# KiCad board 1 - ATX 16 bit ISA passive backplane.kicad_pcb
date: 2022-10-08; rev: 2
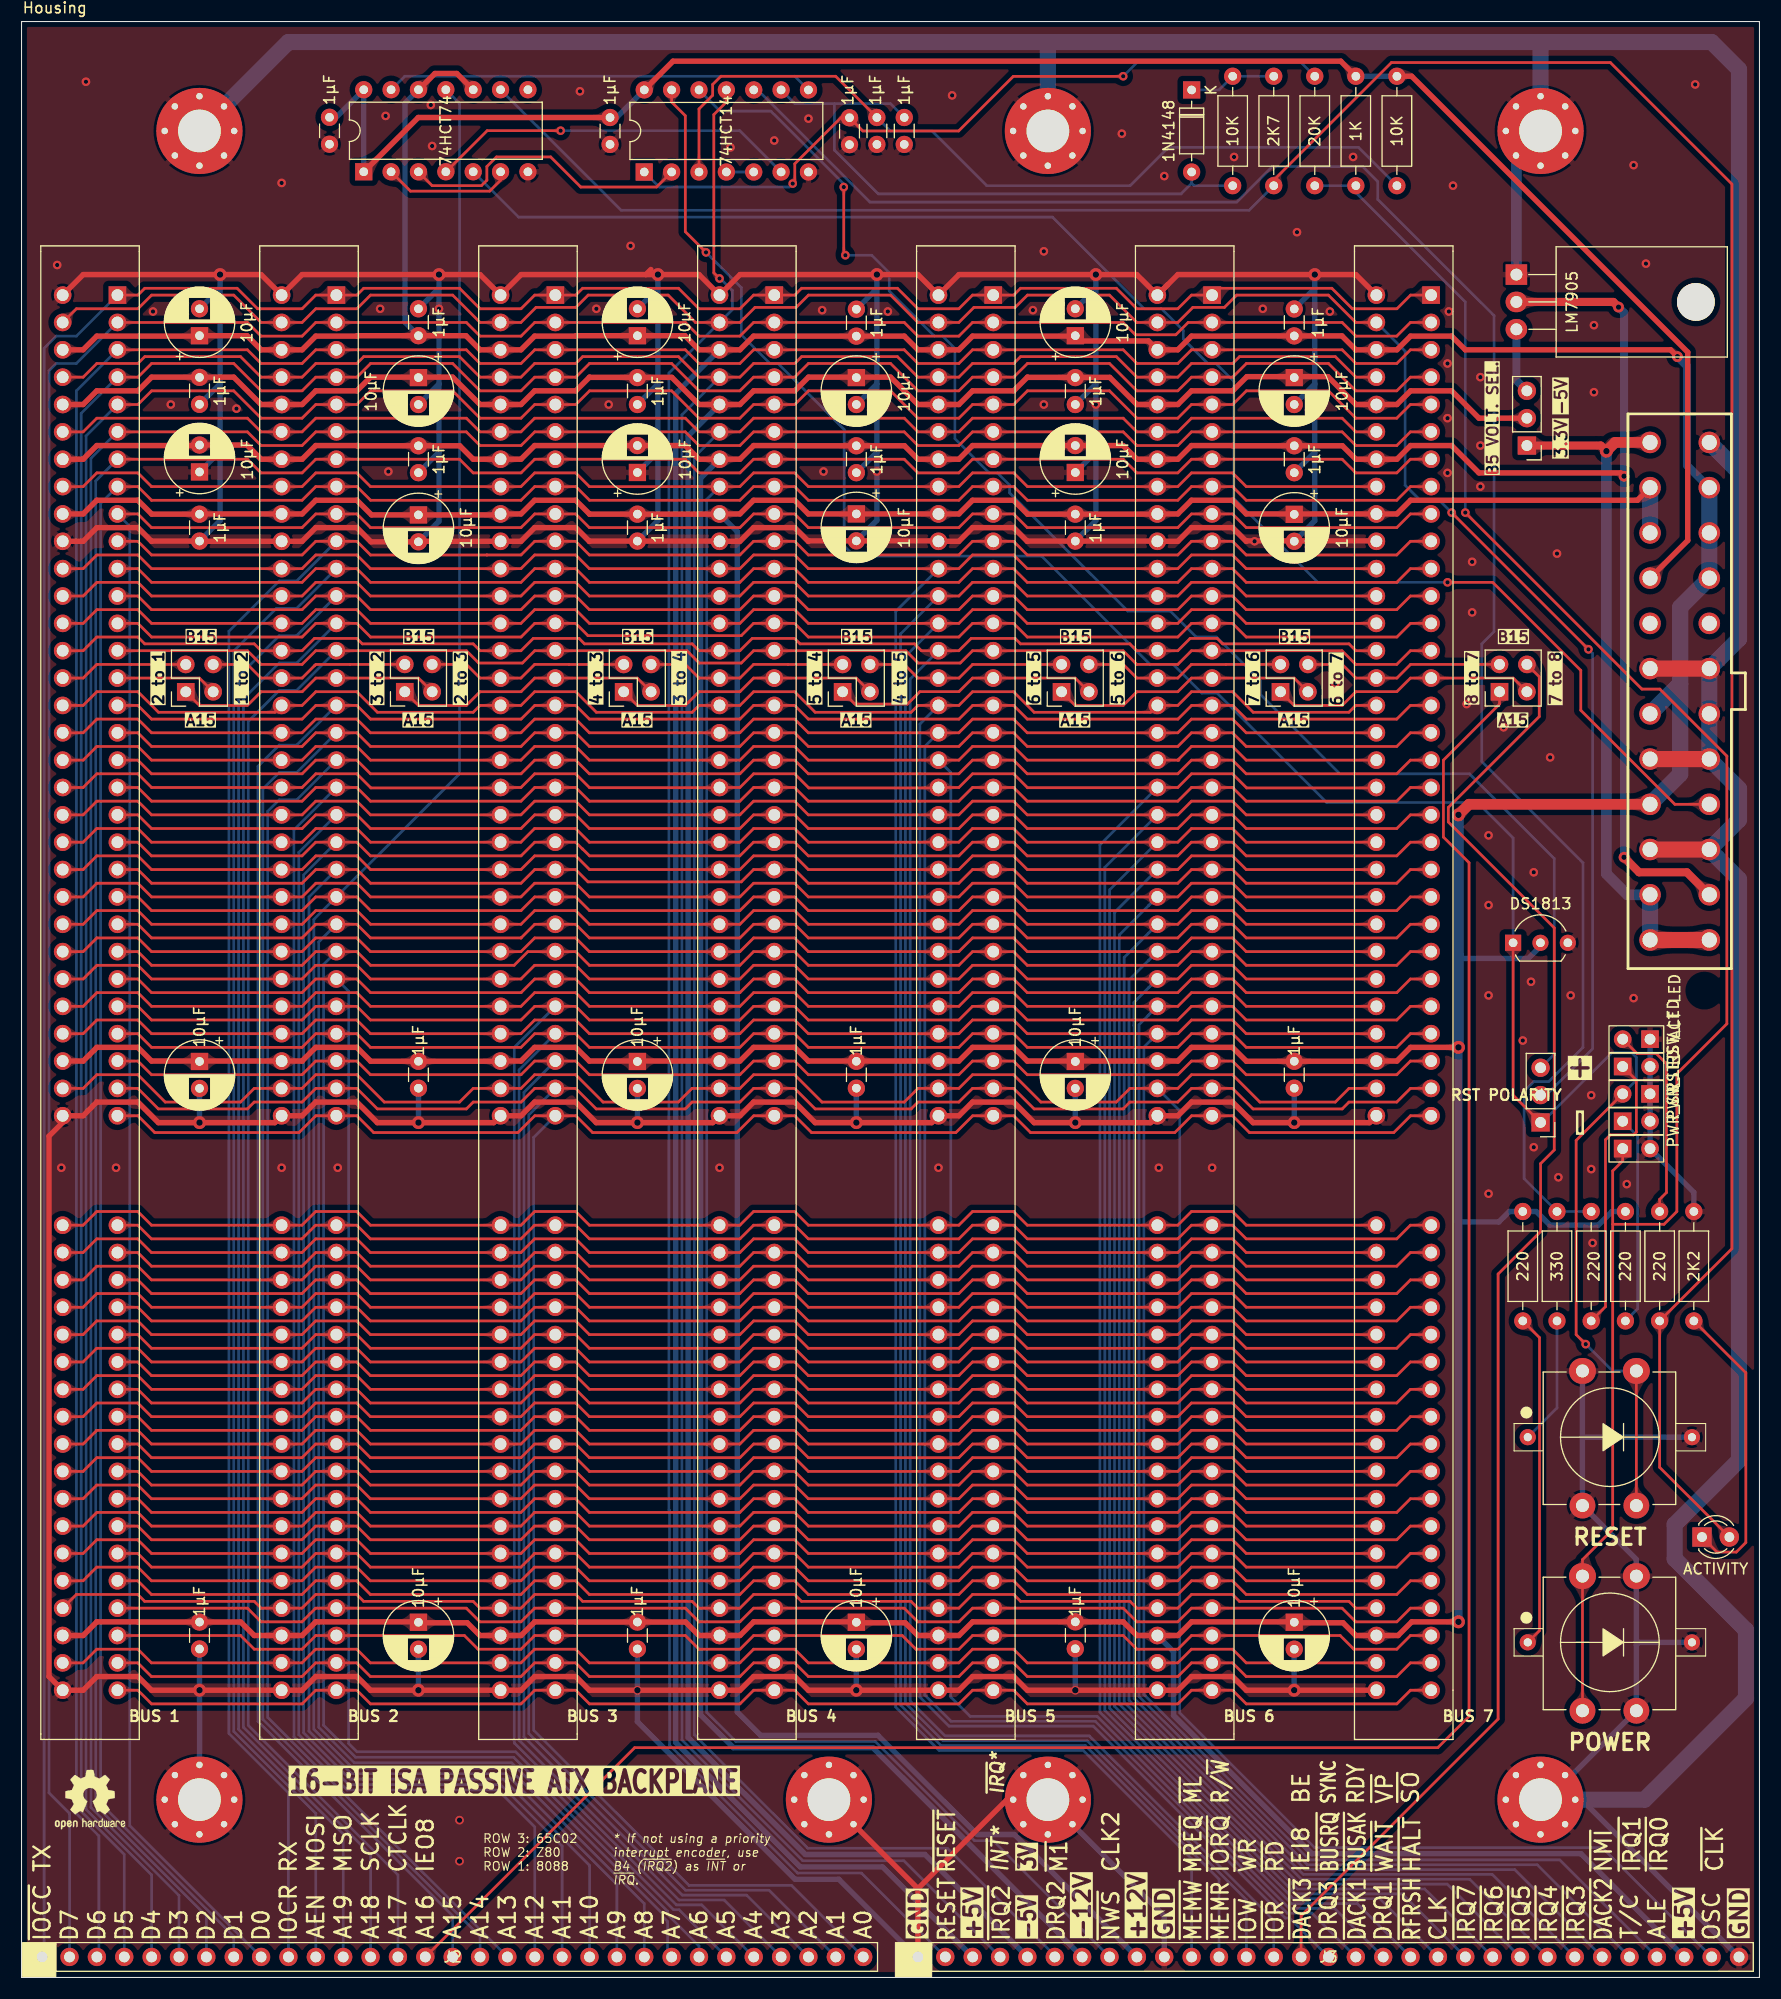
[diagram p0: board, top side]
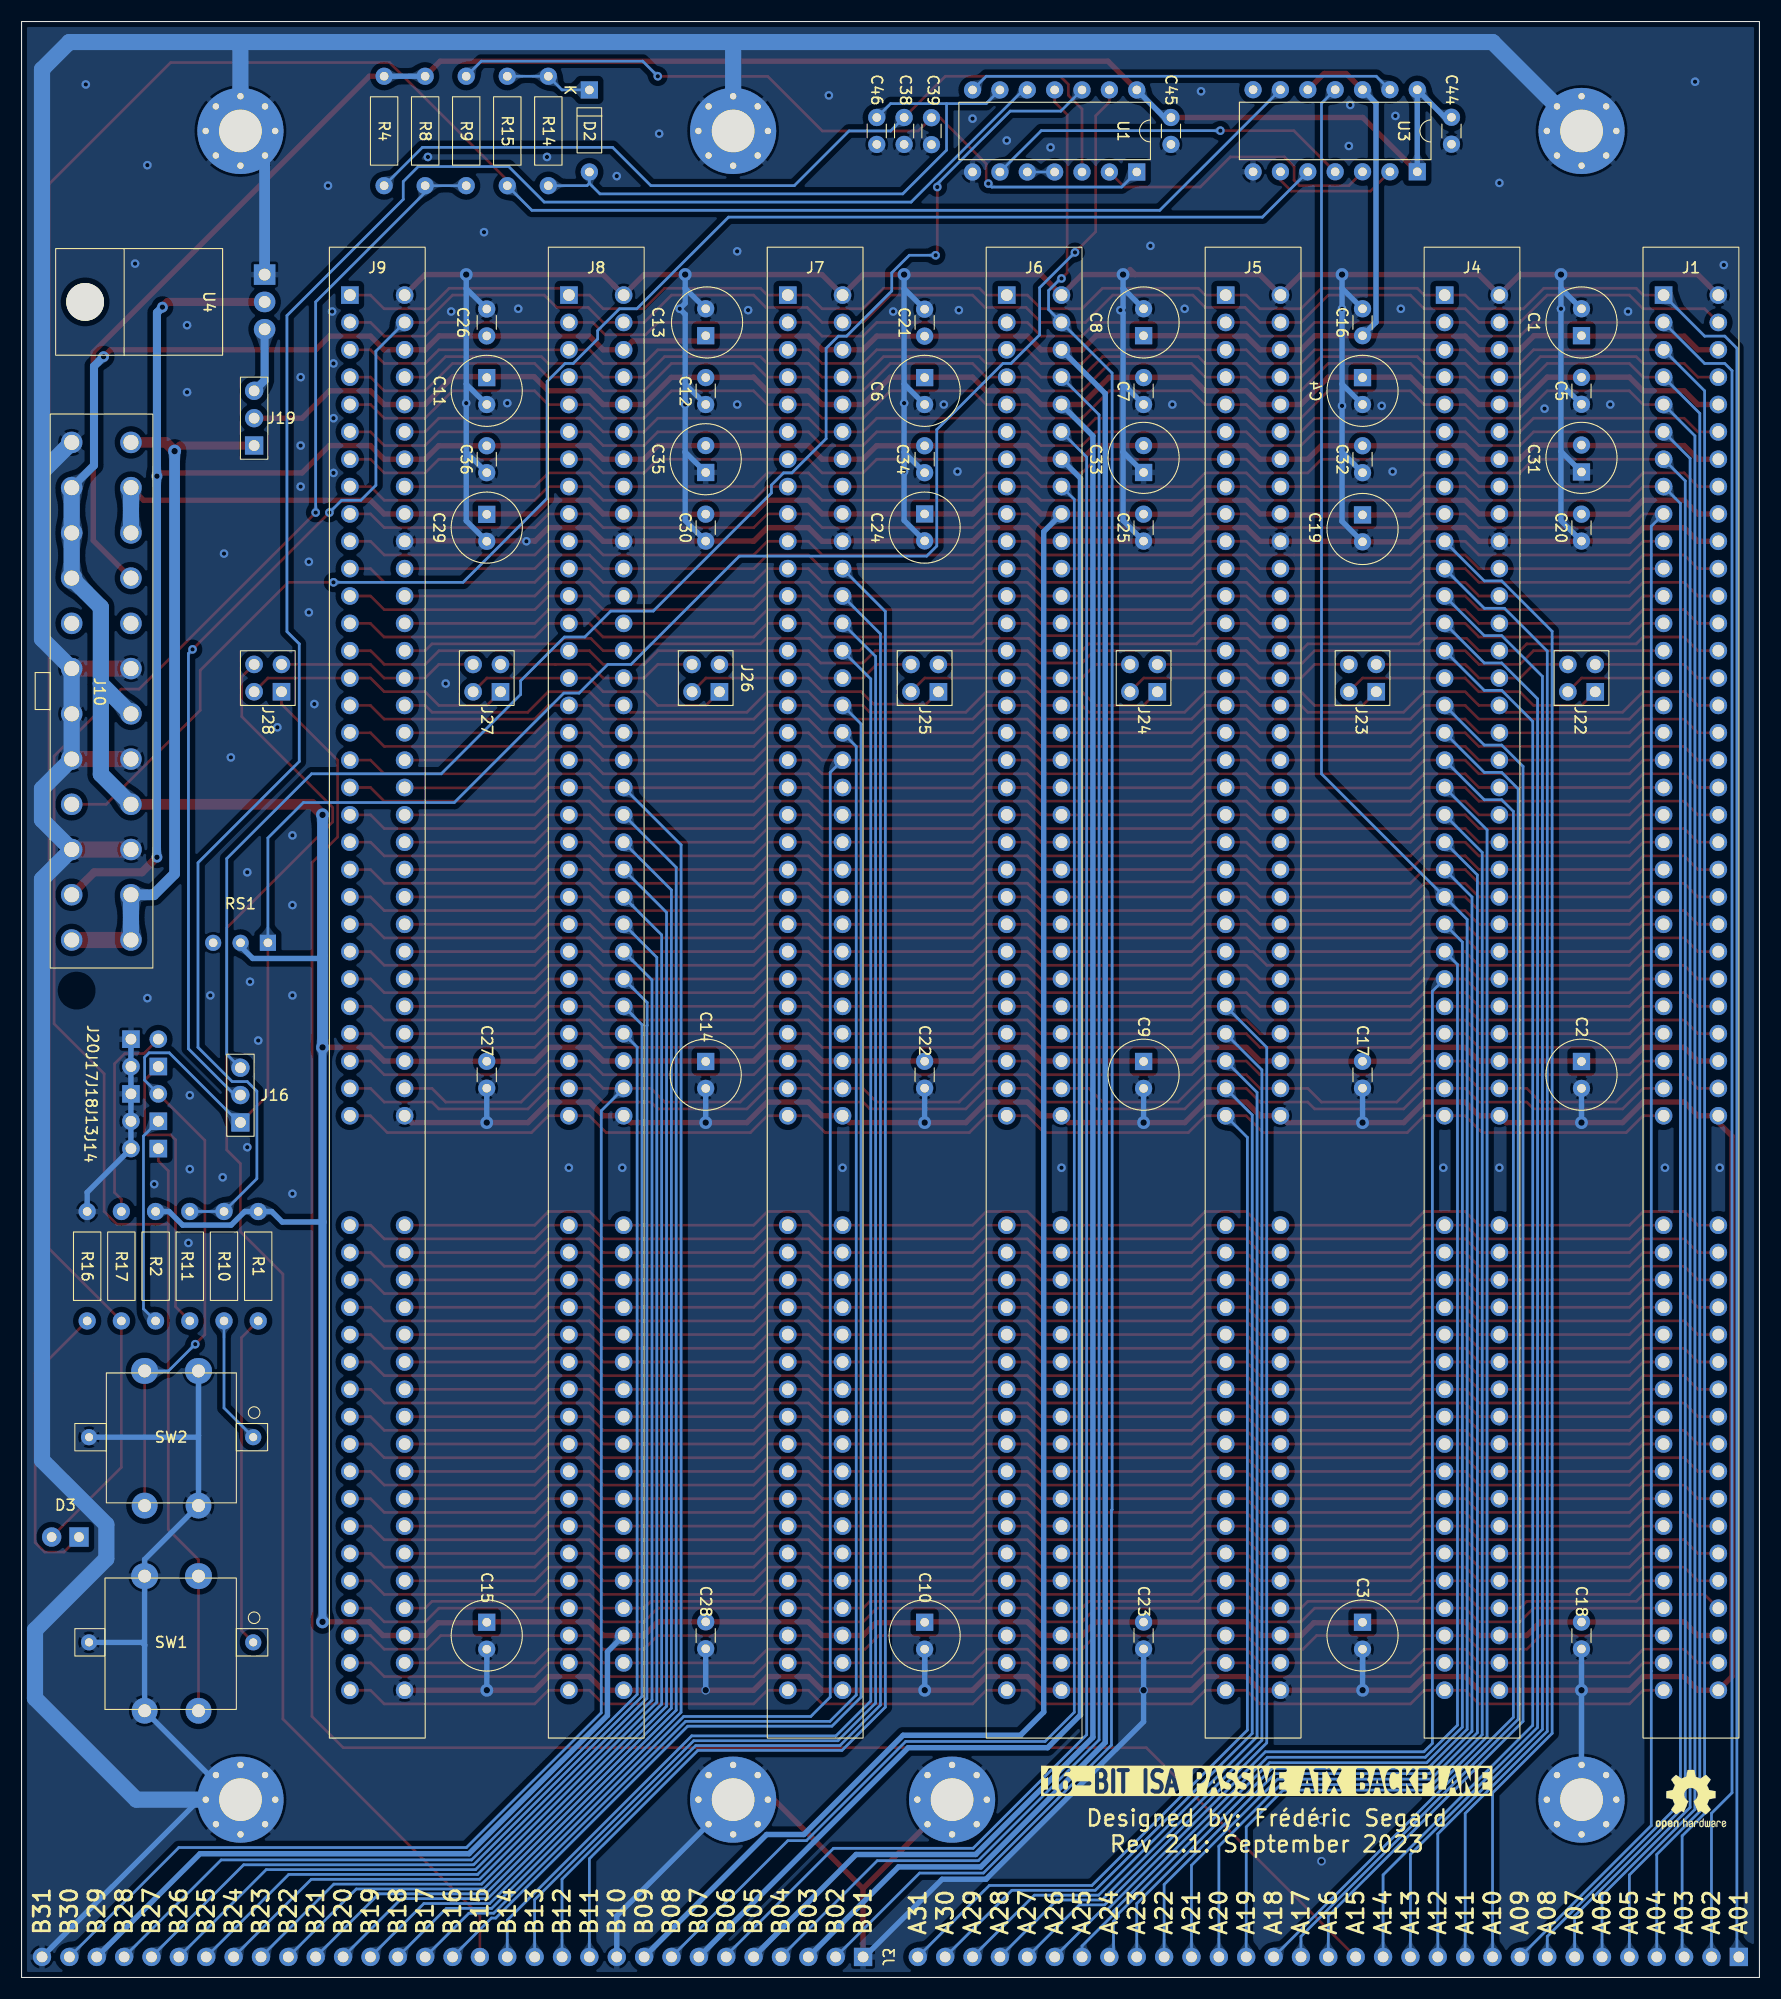
[diagram p1: board, bottom side, seen from below]

Outline 161.29 x 181.61 mm; copper layers: Top, Bottom. Coordinates in mm from the lower left corner of the outline.
Outline path: rectangle 0,181.61 161.29,0
Stack: Top 0.035mm / dielectric 1.51mm FR4 er 4.5 / Bottom 0.035mm

## Placement (name value [footprint] x y rotation side)
C1  10µF  [CP_Radial_D6.3mm_P2.50mm]  16.52 152.44 90 top
C2  10µF  [CP_Radial_D6.3mm_P2.50mm]  16.52 85.05 270 top
C3  10µF  [CP_Radial_D6.3mm_P2.50mm]  36.84 32.98 270 top
C4  10µF  [CP_Radial_D6.3mm_P2.50mm]  36.84 148.55 270 top
C5  1µF  [C_Disc_D3.0mm_W1.6mm_P2.50mm]  16.52 148.57 270 top
C6  10µF  [CP_Radial_D6.3mm_P2.50mm]  77.48 148.55 270 top
C7  1µF  [C_Disc_D3.0mm_W1.6mm_P2.50mm]  57.16 148.55 270 top
C8  10µF  [CP_Radial_D6.3mm_P2.50mm]  57.16 152.44 90 top
C9  10µF  [CP_Radial_D6.3mm_P2.50mm]  57.16 85.05 270 top
C10  10µF  [CP_Radial_D6.3mm_P2.50mm]  77.48 32.98 270 top
C11  10µF  [CP_Radial_D6.3mm_P2.50mm]  118.12 148.55 270 top
C12  1µF  [C_Disc_D3.0mm_W1.6mm_P2.50mm]  97.8 148.55 270 top
C13  10µF  [CP_Radial_D6.3mm_P2.50mm]  97.8 152.44 90 top
C14  10µF  [CP_Radial_D6.3mm_P2.50mm]  97.8 85.05 270 top
C15  10µF  [CP_Radial_D6.3mm_P2.50mm]  118.12 32.98 270 top
C16  1µF  [C_Disc_D3.0mm_W1.6mm_P2.50mm]  36.84 152.44 90 top
C17  1µF  [C_Disc_D3.0mm_W1.6mm_P2.50mm]  36.84 85.07 270 top
C18  1µF  [C_Disc_D3.0mm_W1.6mm_P2.50mm]  16.52 33 270 top
C19  10µF  [CP_Radial_D6.3mm_P2.50mm]  36.84 135.8 270 top
C20  1µF  [C_Disc_D3.0mm_W1.6mm_P2.50mm]  16.52 135.87 270 top
C21  1µF  [C_Disc_D3.0mm_W1.6mm_P2.50mm]  77.48 152.4 90 top
C22  1µF  [C_Disc_D3.0mm_W1.6mm_P2.50mm]  77.48 85.07 270 top
C23  1µF  [C_Disc_D3.0mm_W1.6mm_P2.50mm]  57.16 33 270 top
C24  10µF  [CP_Radial_D6.3mm_P2.50mm]  77.48 135.89 270 top
C25  1µF  [C_Disc_D3.0mm_W1.6mm_P2.50mm]  57.16 135.87 270 top
C26  1µF  [C_Disc_D3.0mm_W1.6mm_P2.50mm]  118.12 152.42 90 top
C27  1µF  [C_Disc_D3.0mm_W1.6mm_P2.50mm]  118.12 85.07 270 top
C28  1µF  [C_Disc_D3.0mm_W1.6mm_P2.50mm]  97.8 33.02 270 top
C29  10µF  [CP_Radial_D6.3mm_P2.50mm]  118.12 135.85 270 top
C30  1µF  [C_Disc_D3.0mm_W1.6mm_P2.50mm]  97.8 135.87 270 top
C31  10µF  [CP_Radial_D6.3mm_P2.50mm]  16.52 139.79 90 top
C32  1µF  [C_Disc_D3.0mm_W1.6mm_P2.50mm]  36.84 142.22 270 top
C33  10µF  [CP_Radial_D6.3mm_P2.50mm]  57.16 139.74 90 top
C34  1µF  [C_Disc_D3.0mm_W1.6mm_P2.50mm]  77.48 142.22 270 top
C35  10µF  [CP_Radial_D6.3mm_P2.50mm]  97.8 139.74 90 top
C36  1µF  [C_Disc_D3.0mm_W1.6mm_P2.50mm]  118.12 142.22 270 top
C38  1µF  [C_Disc_D3.0mm_W1.6mm_P2.50mm]  79.38 172.7 270 top
C39  1µF  [C_Disc_D3.0mm_W1.6mm_P2.50mm]  76.84 172.68 270 top
C44  1µF  [C_Disc_D3.0mm_W1.6mm_P2.50mm]  28.58 172.72 270 top
C45  1µF  [C_Disc_D3.0mm_W1.6mm_P2.50mm]  54.62 172.7 270 top
C46  1µF  [C_Disc_D3.0mm_W1.6mm_P2.50mm]  81.92 172.7 270 top
D2  1N4148  [D_DO-35_SOD27_P7.62mm_Horizontal]  108.59 175.26 270 top
D3  ACTIVITY  [LED_D3.0mm]  155.96 40.89 0 top
H1  MH  [MountingHole_M3.96_Pad_Via_ATX]  16.51 171.45 0 top
H2  MH  [MountingHole_M3.96_Pad_Via_ATX]  16.51 16.51 0 top
H3  MH  [MountingHole_M3.96_Pad_Via_ATX]  74.93 16.51 0 top
H4  MH  [MountingHole_M3.96_Pad_Via_ATX]  140.97 16.51 0 top
H5  MH  [MountingHole_M3.96_Pad_Via_ATX]  95.25 171.45 0 top
H6  MH  [MountingHole_M3.96_Pad_Via_ATX]  140.98 171.45 0 top
H7  MH  [MountingHole_M3.96_Pad_Via_ATX]  95.25 16.51 0 top
J1  BUS 1  [ISA_Connector_98]  8.9 156.21 0 top
J2  A: Component Side  [PinHeader_1x31_P2.54mm_Vertical]  1.91 1.91 90 top
J3  B: Back Side  [PinHeader_1x31_P2.54mm_Vertical]  83.19 1.91 90 top
J4  BUS 2  [ISA_Connector_98]  29.22 156.21 0 top
J5  BUS 3  [ISA_Connector_98]  49.54 156.21 0 top
J6  BUS 4  [ISA_Connector_98]  69.86 156.21 0 top
J7  BUS 5  [ISA_Connector_98]  90.18 156.21 0 top
J8  BUS 6  [ISA_Connector_98]  110.49 156.21 0 top
J9  BUS 7  [ISA_Connector_98]  130.82 156.21 0 top
J10  ATX POWER  [ATX_PSU_CONN]  158.69 119.43 90 top
J13  PWR_LED  [PinHeader_1x2_Vertical (Modified)]  148.6 79.5 90 top
J14  PWR_SW  [PinHeader_1x2_Vertical (Modified)]  148.6 76.96 90 top
J16  RST POLARITY  [PinHeader_1x03_P2.54mm_Vertical]  140.98 79.39 180 top
J17  RST_LED  [PinHeader_1x2_Vertical (Modified)]  148.6 84.58 90 top
J18  RST_SW  [PinHeader_1x2_Vertical (Modified)]  151.14 82.04 270 top
J19  3V/-5V  [PinHeader_1x03_P2.54mm_Vertical]  139.71 142.24 180 top
J20  ACT LED  [PinHeader_1x2_Vertical (Modified)]  151.14 87.12 270 top
J22  IE12  [PinHeader_2x2_Vertical (Modified)]  15.24 119.38 90 top
J23  IE23  [PinHeader_2x2_Vertical (Modified)]  35.57 119.38 90 top
J24  IE34  [PinHeader_2x2_Vertical (Modified)]  55.88 119.38 90 top
J25  IE45  [PinHeader_2x2_Vertical (Modified)]  76.2 119.38 90 top
J26  IE56  [PinHeader_2x2_Vertical (Modified)]  96.52 119.38 90 top
J27  IE67  [PinHeader_2x2_Vertical (Modified)]  116.84 119.38 90 top
J28  IE78  [PinHeader_2x2_Vertical (Modified)]  137.17 119.38 90 top
LOGO1  Logo_Open_Hardware_Small  [OSHW-Logo2_7.3x6mm_SilkScreen]  6.36 16.51 0 top
LOGO2  Logo_Open_Hardware_Small  [OSHW-Logo2_7.3x6mm_SilkScreen]  6.36 16.51 180 bottom
N1  Housing  [ATX_Backplane]  0.01 181.61 0 top
R1  220  [R_Axial_DIN0207_L6.3mm_D2.5mm_P10.16mm_Horizontal]  139.33 60.96 90 top
R2  220  [R_Axial_DIN0207_L6.3mm_D2.5mm_P10.16mm_Horizontal]  148.85 60.96 90 top
R4  10K  [R_Axial_DIN0207_L6.3mm_D2.5mm_P10.16mm_Horizontal]  127.64 176.53 270 top
R8  1K  [R_Axial_DIN0207_L6.3mm_D2.5mm_P10.16mm_Horizontal]  123.83 176.53 270 top
R9  20K  [R_Axial_DIN0207_L6.3mm_D2.5mm_P10.16mm_Horizontal]  120.02 166.37 90 top
R10  330  [R_Axial_DIN0207_L6.3mm_D2.5mm_P10.16mm_Horizontal]  142.5 60.96 90 top
R11  220  [R_Axial_DIN0207_L6.3mm_D2.5mm_P10.16mm_Horizontal]  145.68 60.96 90 top
R14  10K  [R_Axial_DIN0207_L6.3mm_D2.5mm_P10.16mm_Horizontal]  112.4 176.53 270 top
R15  2K7  [R_Axial_DIN0207_L6.3mm_D2.5mm_P10.16mm_Horizontal]  116.21 176.53 270 top
R16  2K2  [R_Axial_DIN0207_L6.3mm_D2.5mm_P10.16mm_Horizontal]  155.2 60.96 90 top
R17  220  [R_Axial_DIN0207_L6.3mm_D2.5mm_P10.16mm_Horizontal]  152.03 60.96 90 top
RS1  DS1813  [TO-92L_Inline_Wide]  138.43 96.07 0 top
SW1  POWER  [Pushbutton_12mm_LED]  144.87 37.26 0 top
SW2  RESET  [Pushbutton_12mm_LED]  144.87 56.31 0 top
U1  74HCT14  [DIP-14_W7.62mm]  57.79 167.64 90 top
U3  74HCT74  [DIP-14_W7.62mm]  31.76 167.66 90 top
U4  LM7905  [TO-220-3_Horizontal_TabDown]  138.73 158.12 270 top

## Library data of the parts
C1-C4 C6 C8-C11 C13-C15 C19 C24 C29 C31 C33 C35 = -: Description: Polarized capacitor, US symbol
C5 C7 C12 C16-C18 C20-C23 C25-C28 C30 C32 C34 C36 C38 C39 C44-C46 = -: Description: Unpolarized capacitor
D2 = -: Description: 100V 0.15A standard switching diode, DO-35; Sim.Device: D; Sim.Pins: 1=K 2=A
D3 = -: Description: Light emitting diode
H1-H7 = -: Description: Mounting Hole with connection
J1 J4-J9 = -: Description: Standard Card Edge Connectors; Manufacturer_Name: TE Connectivity; Manufacturer_Part_Number: 6-5530843-5; Mouser Part Number: 571-5645169-3; Mouser Price/Stock: https://www.mouser.ca/ProductDetail/TE-Connectivity/5645169-3?qs=sGAEpiMZZMvlX3nhDDO4AJnl56K1ca25LEufbdKkbWo%3D
J2 J3 = -: Description: Generic connector, single row, 01x31, script generated (kicad-library-utils/schlib/autogen/connector/)
J10 = -: Description: Power to the Board ATX PWR CONN 1 BDLK 24 POS; Manufacturer_Name: TE Connectivity; Manufacturer_Part_Number: 1-1775099-3; Mouser Part Number: 571-1-1775099-3; Mouser Price/Stock: https://www.mouser.co.uk/ProductDetail/TE-Connectivity/1-1775099-3?qs=28ld6GkVMjRzvehyCXdQkg%3D%3D
J13 J14 J17 J18 J20 = -: Description: Generic connector, single row, 01x02, script generated (kicad-library-utils/schlib/autogen/connector/)
J16 J19 = -: Description: Generic connector, single row, 01x03, script generated (kicad-library-utils/schlib/autogen/connector/)
J22-J28 = -: Description: Generic connector, double row, 02x02, odd/even pin numbering scheme (row 1 odd numbers, row 2 even numbers), script generated (kicad-library-utils/schlib/autogen/connector/)
LOGO1 LOGO2 = -: Description: Open Hardware logo, small; Sim.Enable: 0
N1 = -: Sim.Enable: 0
R1 R2 R4 R8-R11 R14-R17 = -: Description: Resistor, US symbol
SW1 SW2 = -: Description: Push button switch with LED, generic
U1 = -: Description: Hex inverter schmitt trigger
U3 = -: Description: Dual D Flip-flop, Set & Reset
U4 = -: Description: Negative 1.5A 35V Linear Regulator, Fixed Output -5V, TO-220/TO-263

## Footprints (pads in the part's own frame, mm; a bottom-side part is the same pattern mirrored in y, then rotated)
ATX_PSU_CONN
  round 0.001 hole 3 unplated: (-27.8,2.51)
  round 2 hole 1.4: 1(-23.1,7.55) 2(-18.9,7.55) 3(-14.7,7.55) 4(-10.5,7.55) 5(-6.3,7.55) 6(-2.1,7.55) 7(2.1,7.55) 8(6.3,7.55) 9(10.5,7.55) 10(14.7,7.55) 11(18.9,7.55) 12(23.1,7.55) 13(-23.1,2.05) 14(-18.9,2.05) 15(-14.7,2.05) 16(-10.5,2.05) 17(-6.3,2.05) 18(-2.1,2.05) 19(2.1,2.05) 20(6.3,2.05) 21(10.5,2.05) 22(14.7,2.05) 23(18.9,2.05) 24(23.1,2.05)
C_Disc_D3.0mm_W1.6mm_P2.50mm
  round 1.6 hole 0.8: 1(0,0) 2(2.5,0)
CP_Radial_D6.3mm_P2.50mm
  rect 1.6x1.6 hole 0.8: 1(0,0)
  round 1.6 hole 0.8: 2(2.5,0)
D_DO-35_SOD27_P7.62mm_Horizontal
  rect 1.6x1.6 hole 0.8: 1(0,0)
  oval 1.6x1.6 hole 0.8: 2(7.62,0)
DIP-14_W7.62mm
  rect 1.6x1.6 hole 0.8: 1(0,0)
  oval 1.6x1.6 hole 0.8: 2(0,-2.54) 3(0,-5.08) 4(0,-7.62) 5(0,-10.16) 6(0,-12.7) 7(0,-15.24) 8(7.62,-15.24) 9(7.62,-12.7) 10(7.62,-10.16) 11(7.62,-7.62) 12(7.62,-5.08) 13(7.62,-2.54) 14(7.62,0)
ISA_Connector_98
  rect 1.635x1.635 hole 1.09: 1(0,0)
  round 1.635 hole 1.09: 2(0,-2.54) 3(0,-5.08) 4(0,-7.62) 5(0,-10.16) 6(0,-12.7) 7(0,-15.24) 8(0,-17.78) 9(0,-20.32) 10(0,-22.86) 11(0,-25.4) 12(0,-27.94) 13(0,-30.48) 14(0,-33.02) 15(0,-35.56) 16(0,-38.1) 17(0,-40.64) 18(0,-43.18) 19(0,-45.72) 20(0,-48.26) 21(0,-50.8) 22(0,-53.34) 23(0,-55.88) 24(0,-58.42) 25(0,-60.96) 26(0,-63.5) 27(0,-66.04) 28(0,-68.58) 29(0,-71.12) 30(0,-73.66) 31(0,-76.2) 32(-5.08,0) 33(-5.08,-2.54) 34(-5.08,-5.08) 35(-5.08,-7.62) 36(-5.08,-10.16) 37(-5.08,-12.7) 38(-5.08,-15.24) 39(-5.08,-17.78) 40(-5.08,-20.32) 41(-5.08,-22.86) 42(-5.08,-25.4) 43(-5.08,-27.94) 44(-5.08,-30.48) 45(-5.08,-33.02) 46(-5.08,-35.56) 47(-5.08,-38.1) 48(-5.08,-40.64) 49(-5.08,-43.18) 50(-5.08,-45.72) 51(-5.08,-48.26) 52(-5.08,-50.8) 53(-5.08,-53.34) 54(-5.08,-55.88) 55(-5.08,-58.42) 56(-5.08,-60.96) 57(-5.08,-63.5) 58(-5.08,-66.04) 59(-5.08,-68.58) 60(-5.08,-71.12) 61(-5.08,-73.66) 62(-5.08,-76.2) 63(0,-86.36) 64(0,-88.9) 65(0,-91.44) 66(0,-93.98) 67(0,-96.52) 68(0,-99.06) 69(0,-101.6) 70(0,-104.14) 71(0,-106.68) 72(0,-109.22) 73(0,-111.76) 74(0,-114.3) 75(0,-116.84) 76(0,-119.38) 77(0,-121.92) 78(0,-124.46) 79(0,-127) 80(0,-129.54) 81(-5.08,-86.36) 82(-5.08,-88.9) 83(-5.08,-91.44) 84(-5.08,-93.98) 85(-5.08,-96.52) 86(-5.08,-99.06) 87(-5.08,-101.6) 88(-5.08,-104.14) 89(-5.08,-106.68) 90(-5.08,-109.22) 91(-5.08,-111.76) 92(-5.08,-114.3) 93(-5.08,-116.84) 94(-5.08,-119.38) 95(-5.08,-121.92) 96(-5.08,-124.46) 97(-5.08,-127) 98(-5.08,-129.54)
LED_D3.0mm
  rect 1.8x1.8 hole 0.9: 1(0,0)
  round 1.8 hole 0.9: 2(2.54,0)
MountingHole_M3.96_Pad_Via_ATX
  round 0.9 hole 0.6: 1(-3.225,0) 1(-2.28,2.28) 1(-2.28,-2.28) 1(0,3.225) 1(0,-3.225) 1(2.28,2.28) 1(2.28,-2.28) 1(3.225,0)
  round 8 hole 3.96: 1(0,0)
PinHeader_1x2_Vertical (Modified)
  rect 1.635x1.635 hole 1: 1(0,0)
  round 1.635 hole 1: 2(0,-2.54)
PinHeader_1x03_P2.54mm_Vertical
  rect 1.7x1.7 hole 1: 1(0,0)
  oval 1.7x1.7 hole 1: 2(0,-2.54) 3(0,-5.08)
PinHeader_1x31_P2.54mm_Vertical
  rect 1.7x1.7 hole 1: 1(0,0)
  oval 1.7x1.7 hole 1: 2(0,-2.54) 3(0,-5.08) 4(0,-7.62) 5(0,-10.16) 6(0,-12.7) 7(0,-15.24) 8(0,-17.78) 9(0,-20.32) 10(0,-22.86) 11(0,-25.4) 12(0,-27.94) 13(0,-30.48) 14(0,-33.02) 15(0,-35.56) 16(0,-38.1) 17(0,-40.64) 18(0,-43.18) 19(0,-45.72) 20(0,-48.26) 21(0,-50.8) 22(0,-53.34) 23(0,-55.88) 24(0,-58.42) 25(0,-60.96) 26(0,-63.5) 27(0,-66.04) 28(0,-68.58) 29(0,-71.12) 30(0,-73.66) 31(0,-76.2)
PinHeader_2x2_Vertical (Modified)
  rect 1.635x1.635 hole 1: 1(0,0)
  round 1.635 hole 1: 2(2.54,0) 3(0,-2.54) 4(2.54,-2.54)
Pushbutton_12mm_LED
  oval 2.5x2.4 hole 1.2: 1(0,0) 2(5,0)
  round 2.4 hole 1.2: 1(0,-12.5) 2(5,-12.5)
  round 1.5 hole 0.75: 3(10.16,-6.15) 4(-5.08,-6.15)
R_Axial_DIN0207_L6.3mm_D2.5mm_P10.16mm_Horizontal
  round 1.6 hole 0.8: 1(0,0)
  oval 1.6x1.6 hole 0.8: 2(10.16,0)
TO-92L_Inline_Wide
  rect 1.5x1.5 hole 0.8: 1(0,0)
  round 1.5 hole 0.8: 2(2.54,0) 3(5.08,0)
TO-220-3_Horizontal_TabDown
  oval 3.5x3.5 hole 3.5 unplated: (2.54,16.66)
  rect 1.905x2 hole 1.1: 1(0,0)
  oval 1.905x2 hole 1.1: 2(2.54,0) 3(5.08,0)

## Nets
+3V3: C4.1 C5.1 C6.1 C7.1 C11.1 C12.1 J1.36 J3.5 J4.36 J5.36 J6.36 J7.36 J8.36 J9.36 J19.2
+5V: C1.1 C2.1 C3.1 C8.1 C9.1 C10.1 C13.1 C14.1 C15.1 C16.1 C17.1 C18.1 C21.1 C22.1 C23.1 C26.1 C27.1 C28.1 J1.34 J1.60 J1.96 J3.3 J3.29 J4.34 J4.60 J4.96 J5.34 J5.60 J5.96 J6.34 J6.60 J6.96 J7.34 J7.60 J7.96 J8.34 J8.60 J8.96 J9.34 J9.60 J9.96 J10.4 J10.6 J10.21 J10.22 J10.23 R1.2 R2.2 RS1.2 U3.10 U3.12
+12V: C19.1 C20.1 C24.1 C25.1 C29.1 C30.1 J1.40 J3.9 J4.40 J5.40 J6.40 J7.40 J8.40 J9.40 J10.10 J10.11
-12V: C31.2 C32.1 C33.2 C34.1 C35.2 C36.1 J1.38 J3.7 J4.38 J5.38 J6.38 J7.38 J8.38 J9.38 J10.14 U4.2
GND: C1.2 C2.2 C3.2 C4.2 C5.2 C6.2 C7.2 C8.2 C9.2 C10.2 C11.2 C12.2 C13.2 C14.2 C15.2 C16.2 C17.2 C18.2 C19.2 C20.2 C21.2 C22.2 C23.2 C24.2 C25.2 C26.2 C27.2 C28.2 C29.2 C30.2 C31.1 C32.2 C33.1 C34.2 C35.1 C36.2 C38.2 C39.2 C44.2 C45.2 C46.2 H1.1 H2.1 H3.1 H4.1 H5.1 H6.1 H7.1 J1.32 J1.41 J1.62 J1.98 J3.1 J3.10 J3.31 J4.32 J4.41 J4.62 J4.98 J5.32 J5.41 J5.62 J5.98 J6.32 J6.41 J6.62 J6.98 J7.32 J7.41 J7.62 J7.98 J8.32 J8.41 J8.62 J8.98 J9.32 J9.41 J9.62 J9.98 J10.3 J10.5 J10.7 J10.15 J10.17 J10.18 J10.19 J10.24 J13.2 J14.2 J17.2 J18.1 J20.1 R16.2 RS1.3 SW1.2 SW1.3 SW2.1 SW2.3 U1.7 U3.7 U4.1
VCC: C44.1 C45.1 J10.9 R4.1 R8.1 U1.14 U3.1 U3.14
/A0: J1.31 J2.31 J4.31 J5.31 J6.31 J7.31 J8.31 J9.31
/A1: J1.30 J2.30 J4.30 J5.30 J6.30 J7.30 J8.30 J9.30
/A2: J1.29 J2.29 J4.29 J5.29 J6.29 J7.29 J8.29 J9.29
/A3: J1.28 J2.28 J4.28 J5.28 J6.28 J7.28 J8.28 J9.28
/A4: J1.27 J2.27 J4.27 J5.27 J6.27 J7.27 J8.27 J9.27
/A5: J1.26 J2.26 J4.26 J5.26 J6.26 J7.26 J8.26 J9.26
/A6: J1.25 J2.25 J4.25 J5.25 J6.25 J7.25 J8.25 J9.25
/A7: J1.24 J2.24 J4.24 J5.24 J6.24 J7.24 J8.24 J9.24
/A8: J1.23 J2.23 J4.23 J5.23 J6.23 J7.23 J8.23 J9.23 U3.11
/A9: J1.22 J2.22 J4.22 J5.22 J6.22 J7.22 J8.22 J9.22
/A10: J1.21 J2.21 J4.21 J5.21 J6.21 J7.21 J8.21 J9.21
/A11: J1.20 J2.20 J4.20 J5.20 J6.20 J7.20 J8.20 J9.20
/A12: J1.19 J2.19 J4.19 J5.19 J6.19 J7.19 J8.19 J9.19
/A13: J1.18 J2.18 J4.18 J5.18 J6.18 J7.18 J8.18 J9.18
/A14: J1.17 J2.17 J4.17 J5.17 J6.17 J7.17 J8.17 J9.17
/A15: J1.16 J2.16 J4.16 J5.16 J6.16 J7.16 J8.16 J9.16
/A16: J1.71 J4.71 J5.71 J6.71 J7.71 J8.71 J9.71
/A17: J1.70 J4.70 J5.70 J6.70 J7.70 J8.70 J9.70
/A18: J1.69 J4.69 J5.69 J6.69 J7.69 J8.69 J9.69
/A19: J1.68 J4.68 J5.68 J6.68 J7.68 J8.68 J9.68
/A20: J1.67 J4.67 J5.67 J6.67 J7.67 J8.67 J9.67
/A21: J1.66 J4.66 J5.66 J6.66 J7.66 J8.66 J9.66
/A22: J1.65 J4.65 J5.65 J6.65 J7.65 J8.65 J9.65
/A23: J1.64 J4.64 J5.64 J6.64 J7.64 J8.64 J9.64
/CLK: J1.51 J3.20 J4.51 J5.51 J6.51 J7.51 J8.51 J9.51
/CLK2: J1.39 J3.8 J4.39 J5.39 J6.39 J7.39 J8.39 J9.39
/CTCLK: J1.14 J2.14 J4.14 J5.14 J6.14 J7.14 J8.14 J9.14
/D0: J1.9 J2.9 J4.9 J5.9 J6.9 J7.9 J8.9 J9.9
/D1: J1.8 J2.8 J4.8 J5.8 J6.8 J7.8 J8.8 J9.8
/D2: J1.7 J2.7 J4.7 J5.7 J6.7 J7.7 J8.7 J9.7
/D3: J1.6 J2.6 J4.6 J5.6 J6.6 J7.6 J8.6 J9.6
/D4: J1.5 J2.5 J4.5 J5.5 J6.5 J7.5 J8.5 J9.5
/D5: J1.4 J2.4 J4.4 J5.4 J6.4 J7.4 J8.4 J9.4
/D6: J1.3 J2.3 J4.3 J5.3 J6.3 J7.3 J8.3 J9.3
/D7: J1.2 J2.2 J4.2 J5.2 J6.2 J7.2 J8.2 J9.2
/D8: J1.73 J4.73 J5.73 J6.73 J7.73 J8.73 J9.73
/D9: J1.74 J4.74 J5.74 J6.74 J7.74 J8.74 J9.74
/D10: J1.75 J4.75 J5.75 J6.75 J7.75 J8.75 J9.75
/D11: J1.76 J4.76 J5.76 J6.76 J7.76 J8.76 J9.76
/D12: J1.77 J4.77 J5.77 J6.77 J7.77 J8.77 J9.77
/D13: J1.78 J4.78 J5.78 J6.78 J7.78 J8.78 J9.78
/D14: J1.79 J4.79 J5.79 J6.79 J7.79 J8.79 J9.79
/D15: J1.80 J4.80 J5.80 J6.80 J7.80 J8.80 J9.80
/IEI1: J1.46 J22.2
/IEI2: J4.46 J22.4 J23.2
/IEI3: J5.46 J23.4 J24.2
/IEI4: J6.46 J24.4 J25.2
/IEI5: J7.46 J25.4 J26.2
/IEI6: J8.46 J26.4 J27.2
/IEI7: J9.46 J27.4 J28.2
/IEI8: J3.15 J28.4
/IEO1: J1.15 J22.3
/IEO2: J4.15 J22.1 J23.3
/IEO3: J5.15 J23.1 J24.3
/IEO4: J6.15 J24.1 J25.3
/IEO5: J7.15 J25.1 J26.3
/IEO6: J8.15 J26.1 J27.3
/IEO7: J9.15 J27.1 J28.3
/IEO8: J2.15 J28.1
/MISO: J1.12 J2.12 J4.12 J5.12 J6.12 J7.12 J8.12 J9.12
/MOSI: J1.11 J2.11 J4.11 J5.11 J6.11 J7.11 J8.11 J9.11
/Power/ATX_3V3: J10.1 J10.2 J10.12 J10.13 J19.1
/Power/ATX_-5V: J19.3 U4.3
/Power/~{PS_ON}: J10.16 U3.5
/Power/~{PWR_UP}: U1.6 U3.4
/Reset & LEDs/+RST: J16.3 U1.12
/Reset & LEDs/-RST: J16.1 J18.2 RS1.1 SW2.2 U1.13
/RX: J1.10 J2.10 J4.10 J5.10 J6.10 J7.10 J8.10 J9.10
/RX2: J1.72 J4.72 J5.72 J6.72 J7.72 J8.72 J9.72
/SCLK: J1.13 J2.13 J4.13 J5.13 J6.13 J7.13 J8.13 J9.13
/TX: J1.1 J2.1 J4.1 J5.1 J6.1 J7.1 J8.1 J9.1
/TX2: J1.63 J4.63 J5.63 J6.63 J7.63 J8.63 J9.63
/USR1: J1.89 J4.89 J5.89 J6.89 J7.89 J8.89 J9.89
/USR2: J1.90 J4.90 J5.90 J6.90 J7.90 J8.90 J9.90
/USR3: J1.91 J4.91 J5.91 J6.91 J7.91 J8.91 J9.91
/USR4: J1.92 J4.92 J5.92 J6.92 J7.92 J8.92 J9.92
/USR5: J1.93 J4.93 J5.93 J6.93 J7.93 J8.93 J9.93
/USR6: J1.94 J4.94 J5.94 J6.94 J7.94 J8.94 J9.94
/USR7: J1.95 J4.95 J5.95 J6.95 J7.95 J8.95 J9.95
/USR8: J1.97 J4.97 J5.97 J6.97 J7.97 J8.97 J9.97
/~{BUSAK}: J1.48 J3.17 J4.48 J5.48 J6.48 J7.48 J8.48 J9.48
/~{BUSRQ}: J1.47 J3.16 J4.47 J5.47 J6.47 J7.47 J8.47 J9.47
/~{CLK}: J1.61 J3.30 J4.61 J5.61 J6.61 J7.61 J8.61 J9.61
/~{HALT}: J1.50 J3.19 J4.50 J5.50 J6.50 J7.50 J8.50 J9.50
/~{IORQ}: J1.43 J3.12 J4.43 J5.43 J6.43 J7.43 J8.43 J9.43
/~{IRQ0}: J1.59 J3.28 J4.59 J5.59 J6.59 J7.59 J8.59 J9.59
/~{IRQ1}: J1.58 J3.27 J4.58 J5.58 J6.58 J7.58 J8.58 J9.58
/~{IRQ2}: J1.35 J3.4 J4.35 J5.35 J6.35 J7.35 J8.35 J9.35
/~{IRQ3}: J1.56 J3.25 J4.56 J5.56 J6.56 J7.56 J8.56 J9.56
/~{IRQ4}: J1.55 J3.24 J4.55 J5.55 J6.55 J7.55 J8.55 J9.55
/~{IRQ5}: J1.54 J3.23 J4.54 J5.54 J6.54 J7.54 J8.54 J9.54
/~{IRQ6}: J1.53 J3.22 J4.53 J5.53 J6.53 J7.53 J8.53 J9.53
/~{IRQ7}: J1.52 J3.21 J4.52 J5.52 J6.52 J7.52 J8.52 J9.52
/~{IRQ8}: J1.81 J4.81 J5.81 J6.81 J7.81 J8.81 J9.81
/~{IRQ9}: J1.82 J4.82 J5.82 J6.82 J7.82 J8.82 J9.82
/~{IRQ10}: J1.83 J4.83 J5.83 J6.83 J7.83 J8.83 J9.83
/~{IRQ11}: J1.84 J4.84 J5.84 J6.84 J7.84 J8.84 J9.84
/~{IRQ12}: J1.85 J4.85 J5.85 J6.85 J7.85 J8.85 J9.85
/~{IRQ13}: J1.86 J4.86 J5.86 J6.86 J7.86 J8.86 J9.86
/~{IRQ14}: J1.87 J4.87 J5.87 J6.87 J7.87 J8.87 J9.87